# Altium PCB Copy of PCB1.PcbDoc (part 1 of 3)
Units mm, origin at the board's own origin, x right, y up, seen from the top; angles counter-clockwise.
Board outline 125 x 60 mm, 4 copper layers (Top Copper, Top Ref, Botton Ref, Bottom Copper), stack 1.586 mm thick; 166 components, 87 nets, 450 pads, 496 vias.
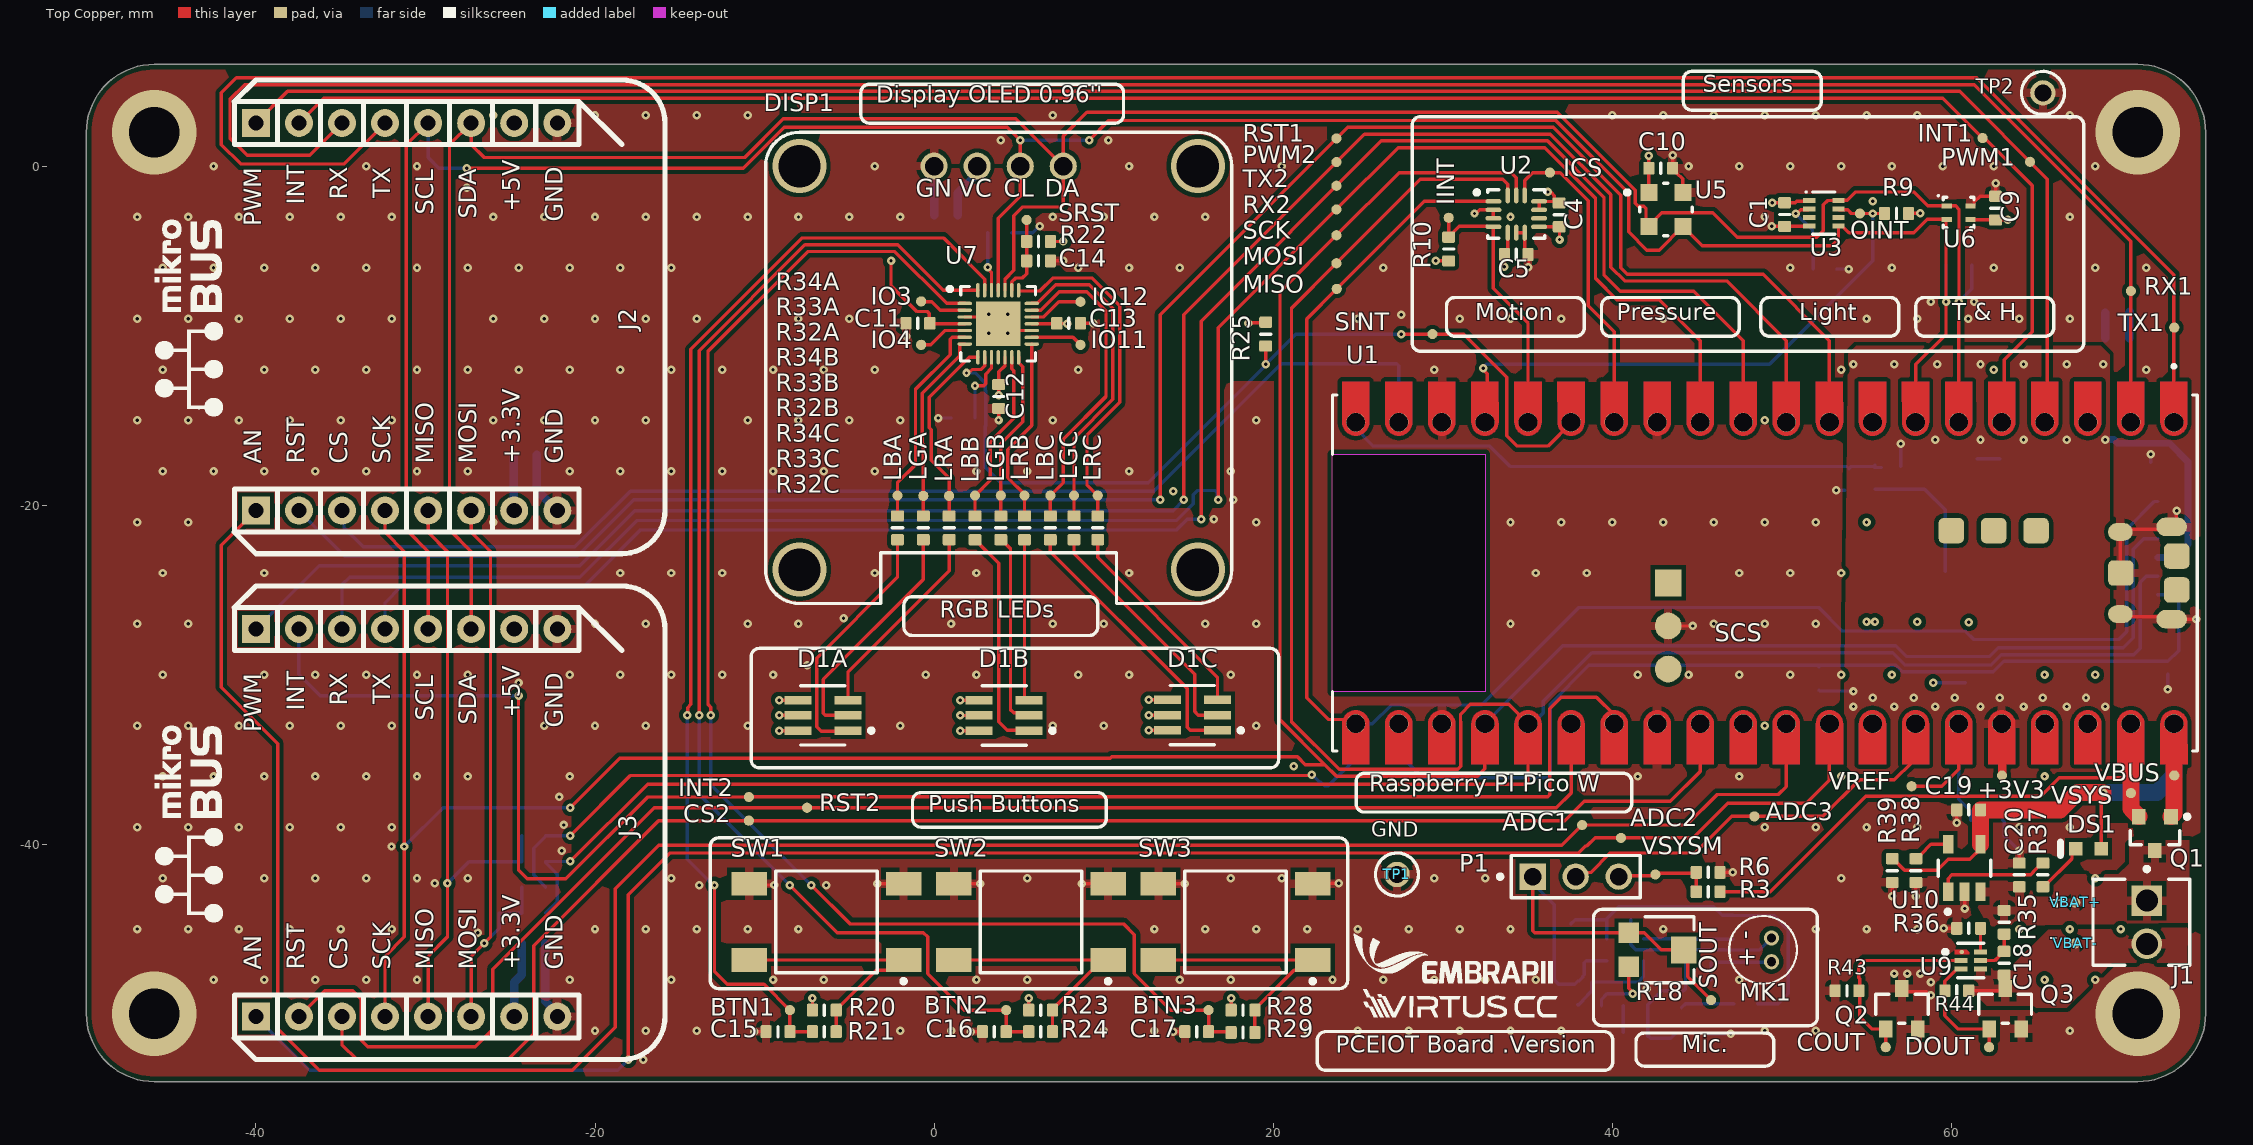
[diagram p0: Top Copper view]
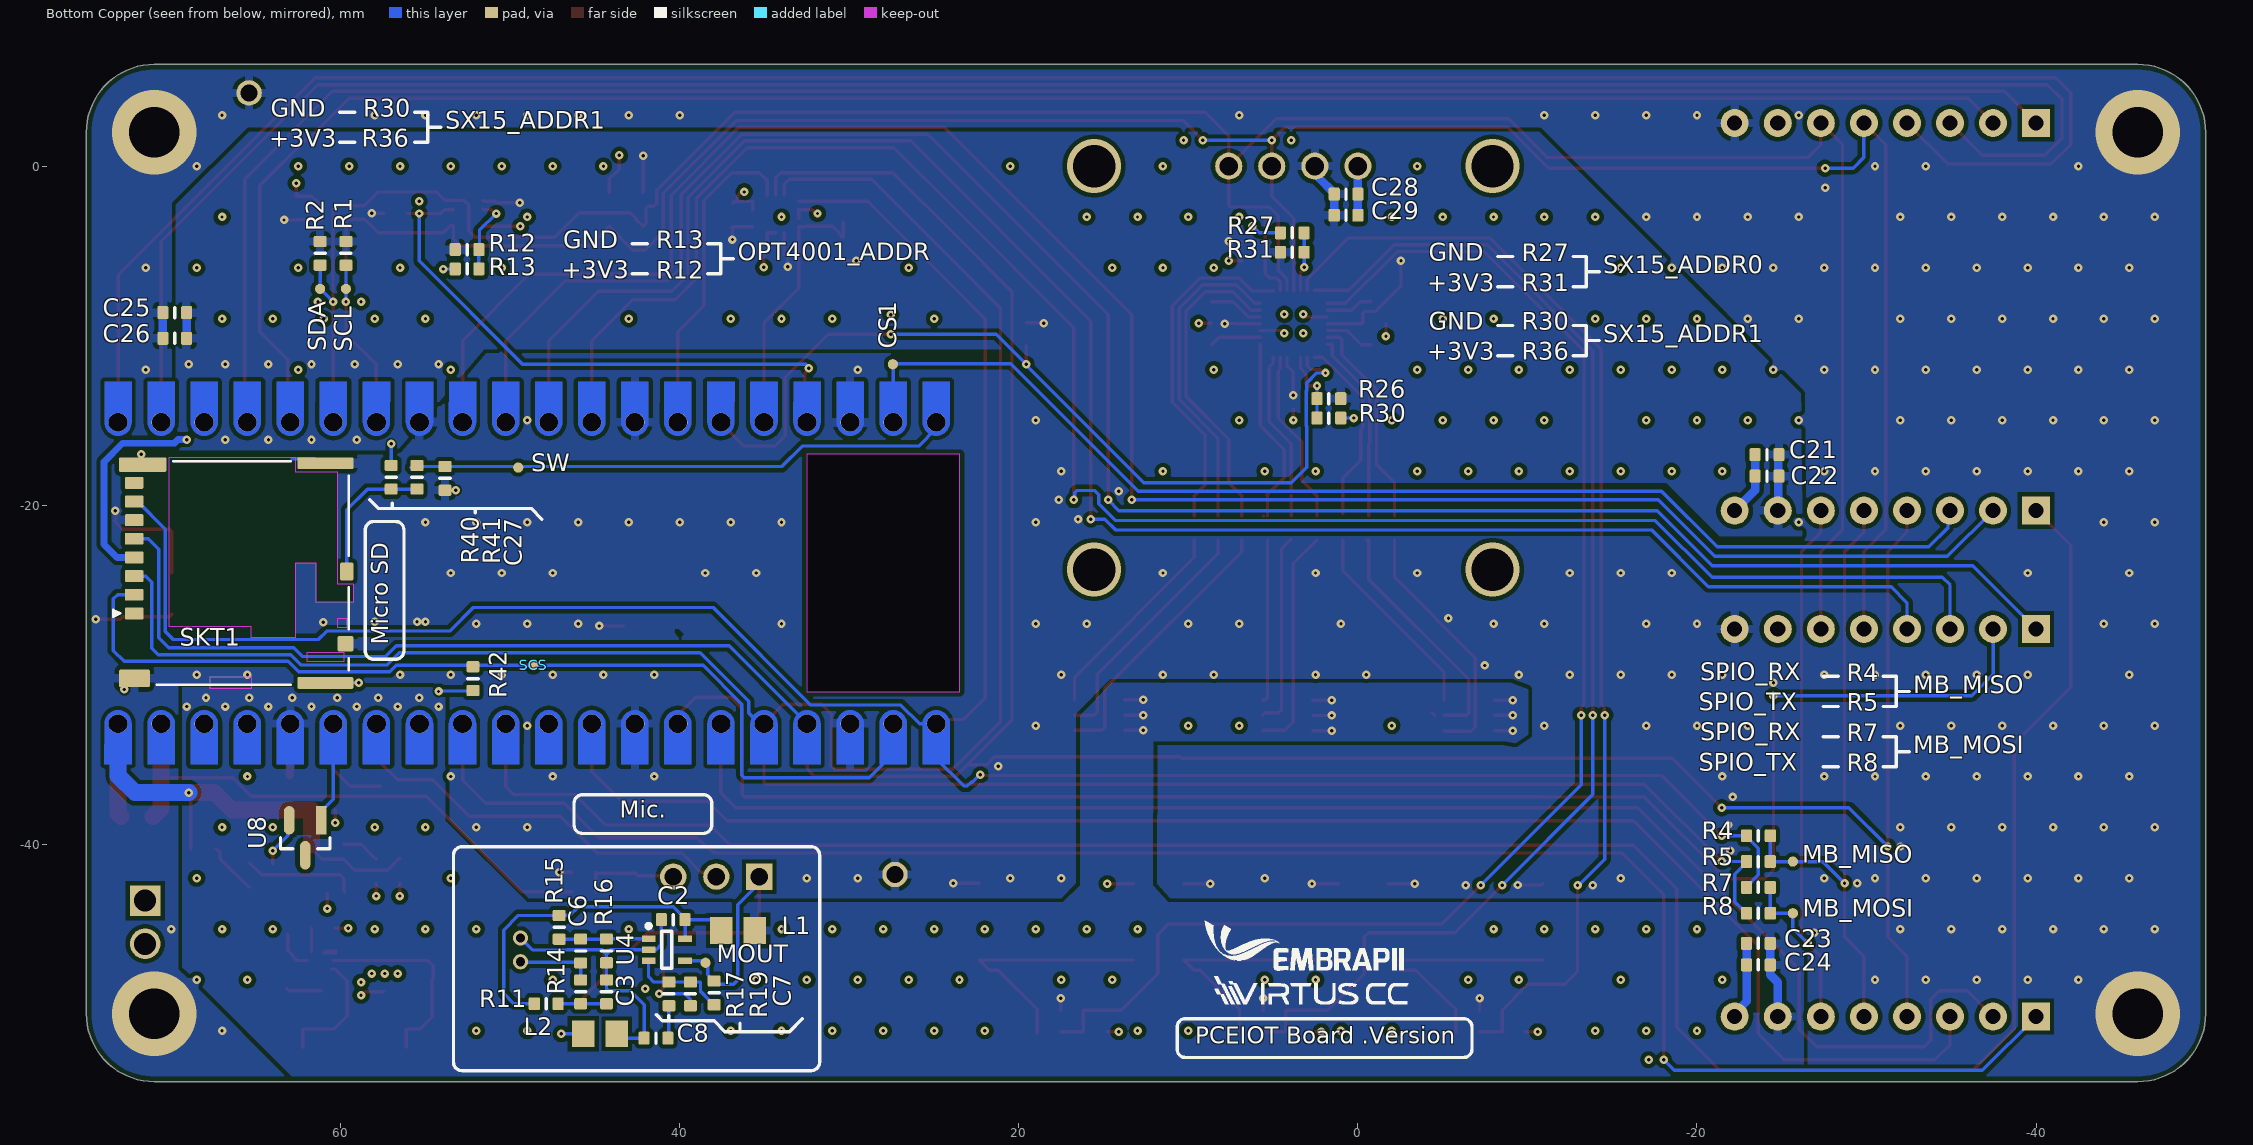
[diagram p1: Bottom Copper view, seen from below]
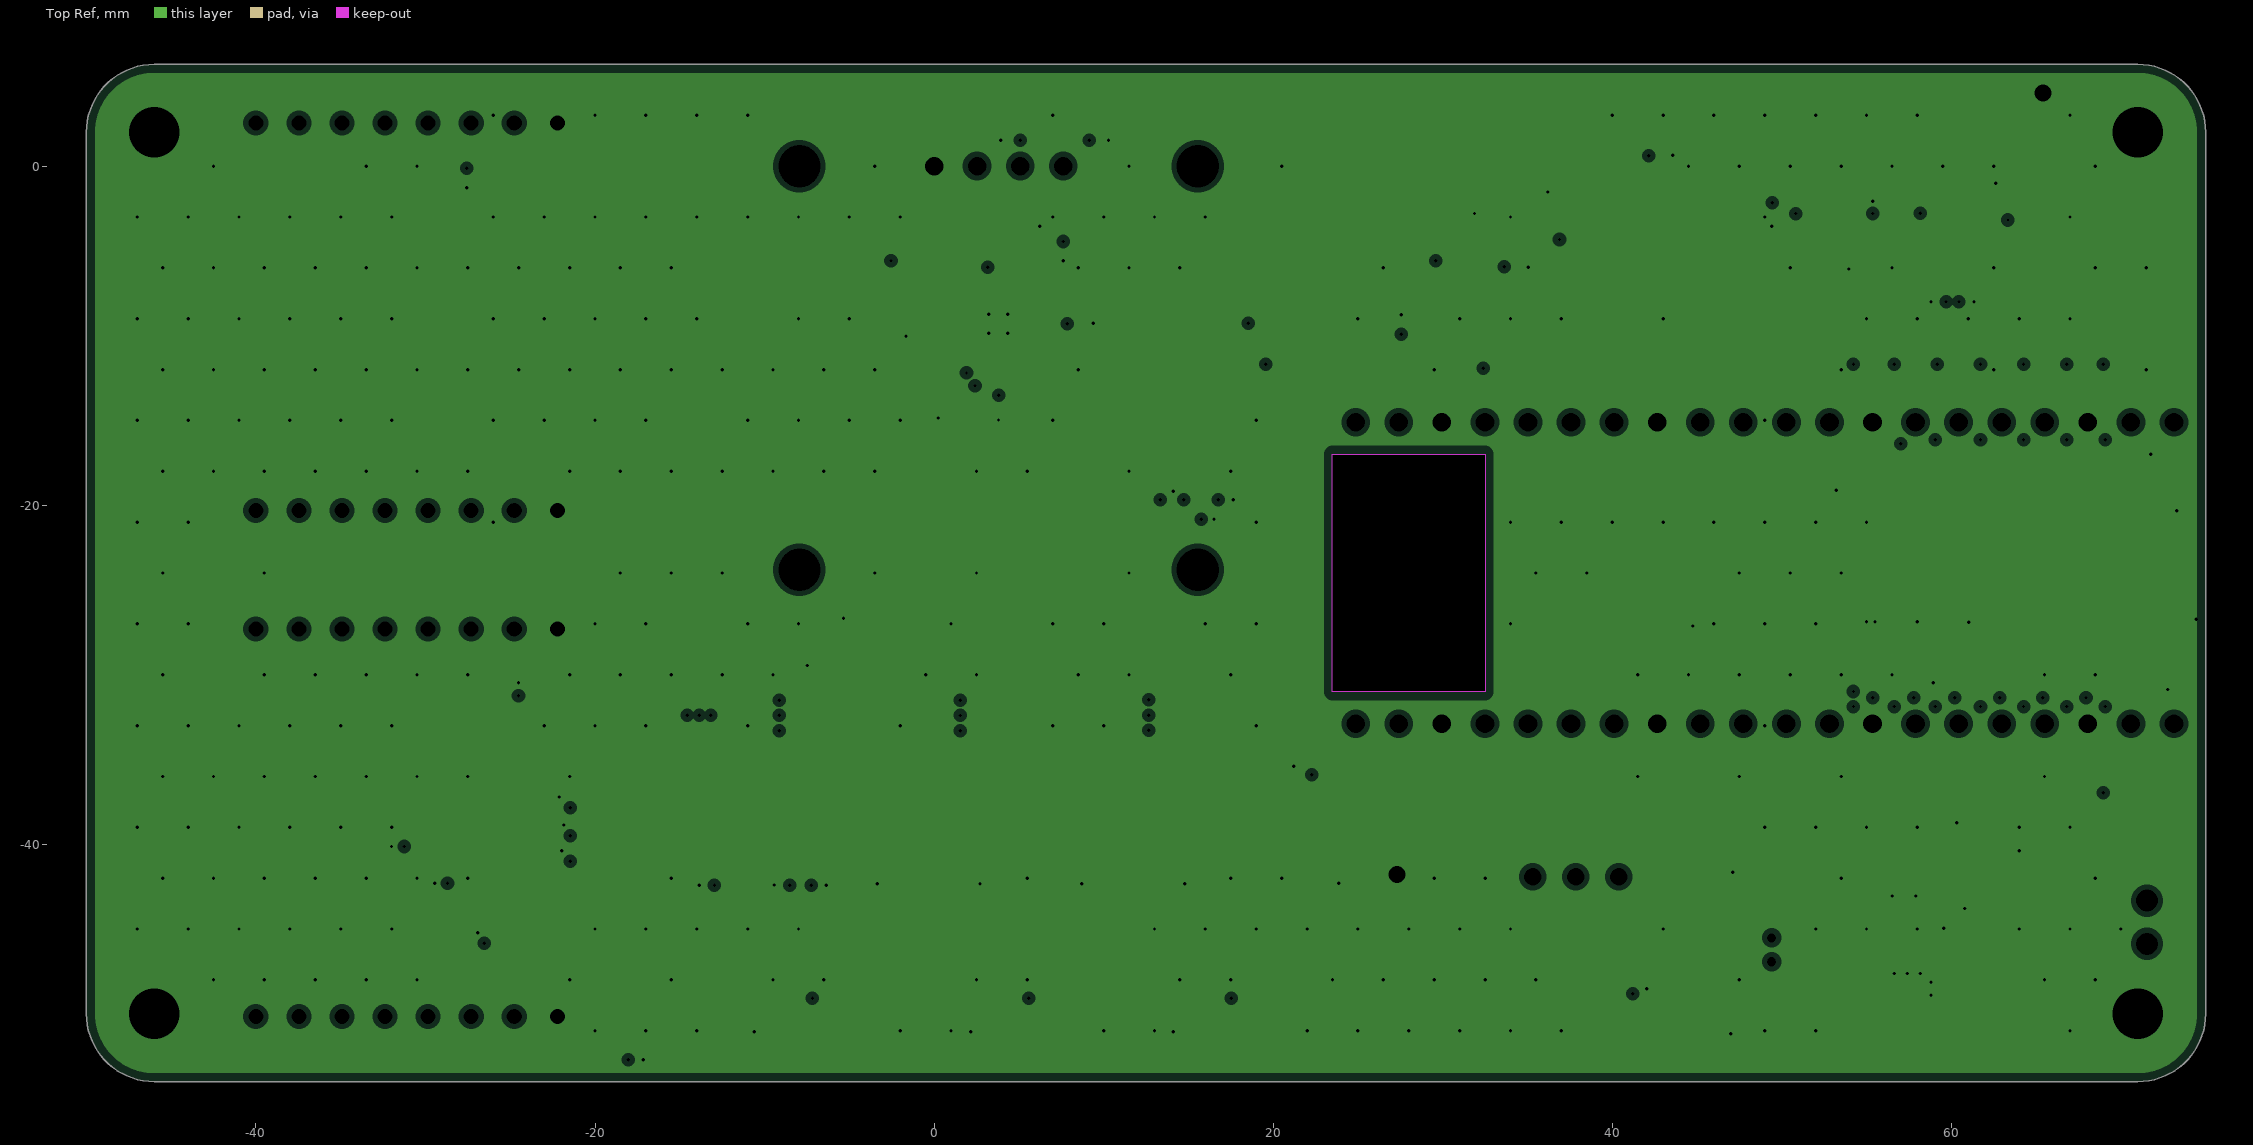
[diagram p2: Top Ref, clearances drawn from the general rule]
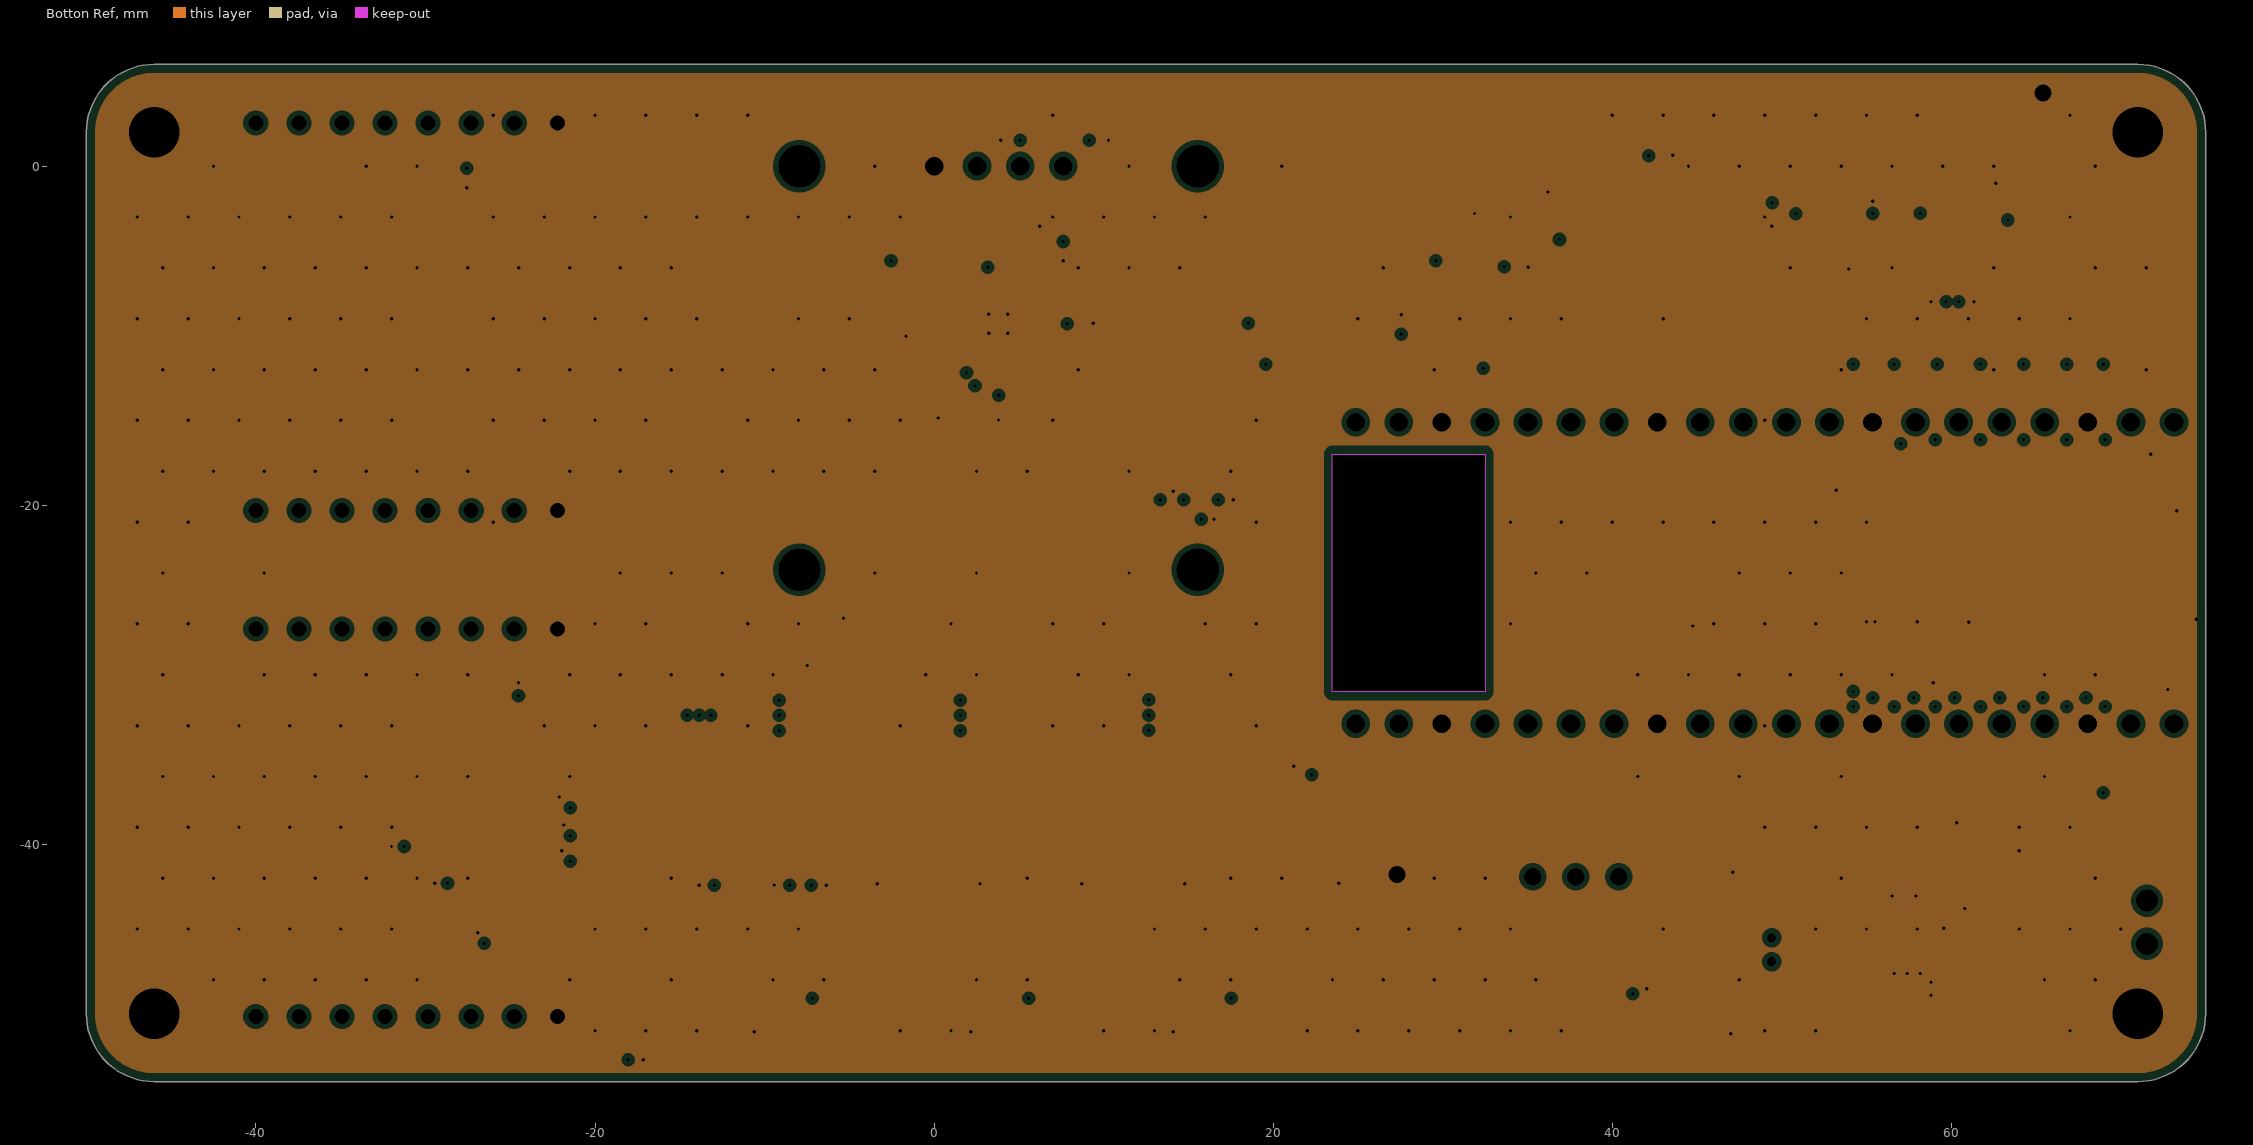
[diagram p3: Botton Ref, clearances drawn from the general rule]

## Layer stack, top to bottom
Top Mask: solder mask 0.0305, Solder Resist, Dk 3.8
Top Copper: signal copper 0.035
Dielectric 1: prepreg 0.2104, 7628, Dk 4.4
Top Ref: plane copper 0.0152, net GND
Core: core 1.065, FR-4, Dk 4.6
Botton Ref: plane copper 0.0152, net GND
Dielectric 2: prepreg 0.2104, 7628, Dk 4.4
Bottom Copper: signal copper 0.035
Bottom Mask: solder mask 0.0305, Solder Resist, Dk 3.8

## Board outline
-46,-54 cw(c-46,-50) -50,-50 -50,2 cw(c-46,2) -46,6 71,6 cw(c71,2) 75,2 75,-49.25 75,-50 cw(c71,-50) 71,-54

## Design rules (kind name [scope] priority, off if disabled: settings)
BoardOutlineClearance [All] p1: gap=0.3 ignorepadtopadclearanceinfootprint=FALSE except(0.4: Arc-SplitBarrior Arc-SplitContinuation Track-SplitBarrior Track-SplitContinuation SMDPad-SplitBarrior SMDPad-SplitContinuation THPad-SplitBarrior THPad-SplitContinuation Via-SplitBarrior Via-SplitContinuation Fill-SplitBarrior Fill-SplitContinuation Poly-SplitBarrior Poly-SplitContinuation Region-SplitBarrior Region-SplitContinuation Text-SplitBarrior Text-SplitContinuation)
Clearance "Clearance Different Nets" [All] p1: gap=0.2 ignorepadtopadclearanceinfootprint=FALSE except(0: Arc-Region Track-Region SMDPad-Region THPad-Region Via-Region Fill-Region Poly-Region Region-Region; 0.25: Arc-Poly Track-Poly SMDPad-Poly THPad-Poly Via-Poly Fill-Poly Poly-Poly)
Clearance "Clearance Bottom Layer" [OnLayer('Bottom Layer')] p2: gap=0.2 ignorepadtopadclearanceinfootprint=TRUE except(0: Arc-Region Track-Region SMDPad-Region THPad-Region Via-Region Fill-Region Poly-Region Region-Region; 0.25: Arc-Poly Track-Poly SMDPad-Poly THPad-Poly Via-Poly Fill-Poly Poly-Poly)
Clearance "Clearance Top Layer" [OnLayer('Top Layer')] p3: gap=0.2 ignorepadtopadclearanceinfootprint=TRUE except(0: Arc-Region Track-Region SMDPad-Region THPad-Region Via-Region Fill-Region Poly-Region Region-Region; 0.3: Arc-Poly Track-Poly SMDPad-Poly THPad-Poly Via-Poly Fill-Poly Poly-Poly)
HoleSize [All] p1: absolutevalues=TRUE maxlimit=6.3 minlimit=0.2 maxpercent=80.000 minpercent=20.000
MatchedLengths [InNetClass('SDCard')] p1: tolerance=0.5 checknetsindiffpair=FALSE checkdiffpairvsdiffpair=TRUE checkxsignals=TRUE checkothers=TRUE
MinimumAnnularRing [All] p1: minimumring=0.13
MinimumSolderMaskSliver [All] p1: minsoldermaskwidth=0.1
PlaneClearance [All] p1: clearance=0.3
PlaneConnect [All] p1: pad.planeconnectstyle=Relief pad.reliefexpansion=0.508 pad.reliefentries=4 pad.reliefconductorwidth=0.254 pad.reliefairgap=0.254 via.planeconnectstyle=Direct via.reliefexpansion=0.508 via.reliefentries=4 via.reliefconductorwidth=0.254 via.reliefairgap=0.254
PolygonConnect PolygonConnect_1 [All] p1: thpad.connectstyle=Relief thpad.reliefconductorwidth=0.508 thpad.reliefentries=4 thpad.polygonreliefangle="90 Angle" thpad.airgapwidth=0.254 smdpad.connectstyle=Relief smdpad.reliefconductorwidth=0.508 smdpad.reliefentries=4 smdpad.polygonreliefangle="90 Angle" smdpad.airgapwidth=0.254 via.connectstyle=Direct via.reliefconductorwidth=0.508 via.reliefentries=4 via.polygonreliefangle="90 Angle" via.airgapwidth=0.254
RoutingCorners [All] p1: cornerstyle=Round minsetback=2.54 maxsetback=2.54
RoutingVias [All] p1: holewidth=0.5 width=1 viastyle="Through Hole" minholewidth=0.2 minwidth=0.35 maxholewidth=5 maxwidth=5
SilkToSilkClearance [All] p1: silktosilkclearance=0.1
SilkToSolderMaskClearance [IsPad] p1: minsilkscreentomaskgap=0.1 clearancetoexposedcopper=TRUE
SolderMaskExpansion Vias [IsVia] p1: expansion=0.102 istentingtop=TRUE
SolderMaskExpansion [All] p2: expansion=0.102 istentingtop=FALSE
SupplyNets "Schematic Supply Nets_6" [InNet('AGND')] p1: voltage=0.000
SupplyNets "Schematic Supply Nets_5" [InNet('+3V3A')] p2: voltage=0.000
SupplyNets "Schematic Supply Nets_4" [InNet('VSYS')] p3: voltage=0.000
SupplyNets "Schematic Supply Nets_3" [InNet('VREF')] p4: voltage=0.000
SupplyNets "Schematic Supply Nets_2" [InNet('GND')] p5: voltage=0.000
SupplyNets "Schematic Supply Nets_1" [InNet('+3V3')] p6: voltage=0.000
SupplyNets "Schematic Supply Nets" [InNet('VBUS')] p7: voltage=0.000
UnRoutedNet [All] p1: checkbadconnections=TRUE
Width [All] p1: maxlimit=2.54 minlimit=0.089 preferedwidth=0.381
22 further rules are at their usual default settings.

## Classes and differential pairs
component class PowerManagement: C18 C19 C20 COUT DOUT DS1 J1 Q1 Q2 Q3 R35 R36 R37 R38 R39 R43 R44 U8 U9 U10 VBAT+ VBAT-
component class Mechanical: M1 M2 M3 M4 M5 M6 M7 M8 M9 M10 M11 M12
component class Conectors: C21 C22 C23 C24 C25 C26 C27 C28 C29 DISP1 J2 J3 R40 R41 R42 SKT1
channel class "[6] RgbLed": "\"RGB LEDs\"1" "\"RGB LEDs\"2" "\"RGB LEDs\"3"
component class Sensors: C1 C2 C3 C4 C5 C6 C7 C8 C9 C10 L1 L2 MK1 R9 R10 R11 R12 R13 R14 R15 R16 R17 R18 R19 SOUT U2 U3 U4 U5 U6
component class ButtonsAndLeds: BTN1 BTN2 BTN3 C11 C12 C13 C14 C15 C16 C17 IO3 IO4 IO11 IO12 R20 R21 R22 R23 R24 R25 R26 R27 R28 R29 R30 R31 SRST SW1 SW2 SW3 U7
component class "[3] TopLevel": +3V3 ADC1 ADC2 ADC3 CS1 CS2 ICS IINT INT1 INT2 MB_MISO MB_MOSI MISO MOSI MOUT OINT P1 PWM1 PWM2 R1 R2 R3 R4 R5 R6 R7 R8 RST1 RST2 RX1 RX2 SCK SCL SCS SDA SINT SW TP1 TP2 TX1 TX2 U1 VBUS VREF VSYS VSYSM
component class "\"RGB LEDs\"3": D1C LBC LGC LRC R32C R33C R34C
component class "\"RGB LEDs\"2": D1B LBB LGB LRB R32B R33B R34B
component class "\"RGB LEDs\"1": D1A LBA LGA LRA R32A R33A R34A

## Components (designator, comment, footprint, x,y, rotation, side; value= is the part's Value field where it differs from the comment)
+3V3 "TPAD6R" TP06R#1 62.992,-35.941 r90 top
ADC1 "TPAD6R" TP06R#1 38.227,-38.862 r90 top
ADC2 "TPAD6R" TP06R#1 40.513,-39.624 r90 top
ADC3 "TPAD6R" TP06R#1 48.387,-38.354 r90 top
BTN1 "TPAD6R" TP06R#1 -8.506,-49.784 r270 top
BTN2 "TPAD6R" TP06R#1 4.253,-49.784 r270 top
BTN3 "TPAD6R" TP06R#1 16.191,-49.784 r270 top
C1 "VJ0603Y104MXJCW1BC" CAPC0603(1608)100_L 50.165,-2.856 r270 top value=100nF
C2 "VJ0603Y104MXJCW1BC" CAPC0603(1608)100_L 40.386,-44.444 r0 bottom value=100nF
C3 "VJ0603Y104MXJCW1BC" CAPC0603(1608)100_L 44.323,-48.706 r270 bottom value=100nF
C4 "VJ0603Y104MXJCW1BC" CAPC0603(1608)100_L 36.871,-2.878 r270 top value=100nF
C5 "VJ0603Y104MXJCW1BC" CAPC0603(1608)100_L 34.341,-5.207 r180 top value=100nF
C6 "VJ0603Y104MXJCW1BC" CAPC0603(1608)100_L 45.847,-46.296 r270 bottom value=100nF
C7 "C0603C101K5GACTU" CAPC0603(1608)100_L 37.973,-48.768 r90 bottom value=100pF
C8 "GRM188R60J106ME47D" CAPC0603(1608)100_L 41.402,-51.435 r180 bottom value=10uF
C9 "VJ0603Y104MXJCW1BC" CAPC0603(1608)100_L 62.611,-2.475 r270 top value=100nF
C10 "VJ0603Y104MXJCW1BC" CAPC0603(1608)100_L 42.864,-0.127 r180 top value=100nF
C11 "VJ0603Y104MXJCW1BC" CAPC0603(1608)100_L -0.954,-9.271 r0 top value=100nF
C12 "VJ0603Y104MXJCW1BC" CAPC0603(1608)100_L 3.81,-13.589 r90 top value=100nF
C13 "VJ0603Y104MXJCW1BC" CAPC0603(1608)100_L 7.936,-9.271 r180 top value=100nF
C14 "VJ0603Y104MXJCW1BC" CAPC0603(1608)100_L 6.161,-5.588 r180 top value=100nF
C15 "VJ0603Y104MXJCW1BC" CAPC0603(1608)100_L -9.206,-51.054 r0 top value=100nF
C16 "VJ0603Y104MXJCW1BC" CAPC0603(1608)100_L 3.553,-51.054 r0 top value=100nF
C17 "VJ0603Y104MXJCW1BC" CAPC0603(1608)100_L 15.491,-51.054 r0 top value=100nF
C18 "VJ0603Y104MXJCW1BC" CAPC0603(1608)100_L 63.119,-47.015 r90 top value=100nF
C19 "Capacitor 4.7µF +/-20% 10V 0603" CAPC0603(1608)100_L 61.022,-37.973 r0 top value=4.7µF
C20 "Capacitor 4.7µF +/-20% 10V 0603" CAPC0603(1608)100_L 64.008,-41.808 r270 top value=4.7µF
C21 "VJ0603Y104MXJCW1BC" CAPC0603(1608)100_L -24.13,-17.018 r180 bottom value=100nF
C22 "VJ0603Y104MXJCW1BC" CAPC0603(1608)100_L -24.13,-18.288 r180 bottom value=100nF
C23 "VJ0603Y104MXJCW1BC" CAPC0603(1608)100_L -23.622,-45.847 r180 bottom value=100nF
C24 "VJ0603Y104MXJCW1BC" CAPC0603(1608)100_L -23.622,-47.117 r180 bottom value=100nF
C25 "VJ0603Y104MXJCW1BC" CAPC0603(1608)100_L 69.788,-8.636 r180 bottom value=100nF
C26 "VJ0603Y104MXJCW1BC" CAPC0603(1608)100_L 69.788,-10.16 r180 bottom value=100nF
C27 "VJ0603Y103KXAAC" CAPC0603(1608)100_L 53.848,-18.415 r90 bottom value=10nF
C28 "VJ0603Y104MXJCW1BC" CAPC0603(1608)100_L 0.7,-1.651 r0 bottom value=100nF
C29 "VJ0603Y104MXJCW1BC" CAPC0603(1608)100_L 0.7,-2.901 r0 bottom value=100nF
COUT "TPAD6R" TP06R#1 56.134,-51.968 r90 top
CS1 "TPAD6R" TP06R#1 27.432,-11.684 r90 bottom
CS2 "TPAD6R" TP06R#1 -10.922,-38.608 r90 top
D1A "ASMT-YTB7-0AA02" FP-PLCC-6-MFG -6.555,-32.396 r180 top (schematic designator D1)
D1B "ASMT-YTB7-0AA02" FP-PLCC-6-MFG 4.132,-32.402 r180 top (schematic designator D1)
D1C "ASMT-YTB7-0AA02" FP-PLCC-6-MFG 15.24,-32.385 r180 top (schematic designator D1)
DISP1 "0.96” Display Module" "New footprint 1"#1 3.81,0 r0 top locked
DOUT "TPAD6R" TP06R#1 62.23,-51.968 r90 top
DS1 "19-217/R6C-AL1M2VY/3T" EVRL-0603-2_V 68.084,-40.259 r180 top
ICS "TPAD6R" TP06R#1 36.322,-0.381 r270 top
IINT "TPAD6R" TP06R#1 30.353,-3.048 r90 top
INT1 "TPAD6R" TP06R#1 61.849,1.651 r90 top
INT2 "TPAD6R" TP06R#1 -10.922,-37.211 r90 top
IO3 "TPAD6R" TP06R#1 -0.762,-7.976 r90 top
IO4 "TPAD6R" TP06R#1 -0.762,-10.541 r90 top
IO11 "TPAD6R" TP06R#1 8.636,-10.541 r90 top
IO12 "TPAD6R" TP06R#1 8.636,-8.001 r90 top
J1 "640456-2" TECO-640456-2_V 71.536,-44.6 r90 top
J2 "MikroBus Connector" "New footprint 1"#2 -31.115,-8.89 r90 top locked
J3 "MikroBus Connector" "New footprint 1"#2 -31.115,-38.735 r90 top locked
L1 "BLM21PG331SN1D" INDC2013X105X50ML20T20 36.576,-45.085 r180 bottom
L2 "BLM21PG331SN1D" INDC2013X105X50ML20T20 44.704,-51.181 r0 bottom
LBA "TPAD6R" TP06R#1 -2.159,-19.431 r180 top (schematic designator LB)